# KiCad board ecpbreaker.kicad_pcb (continued)
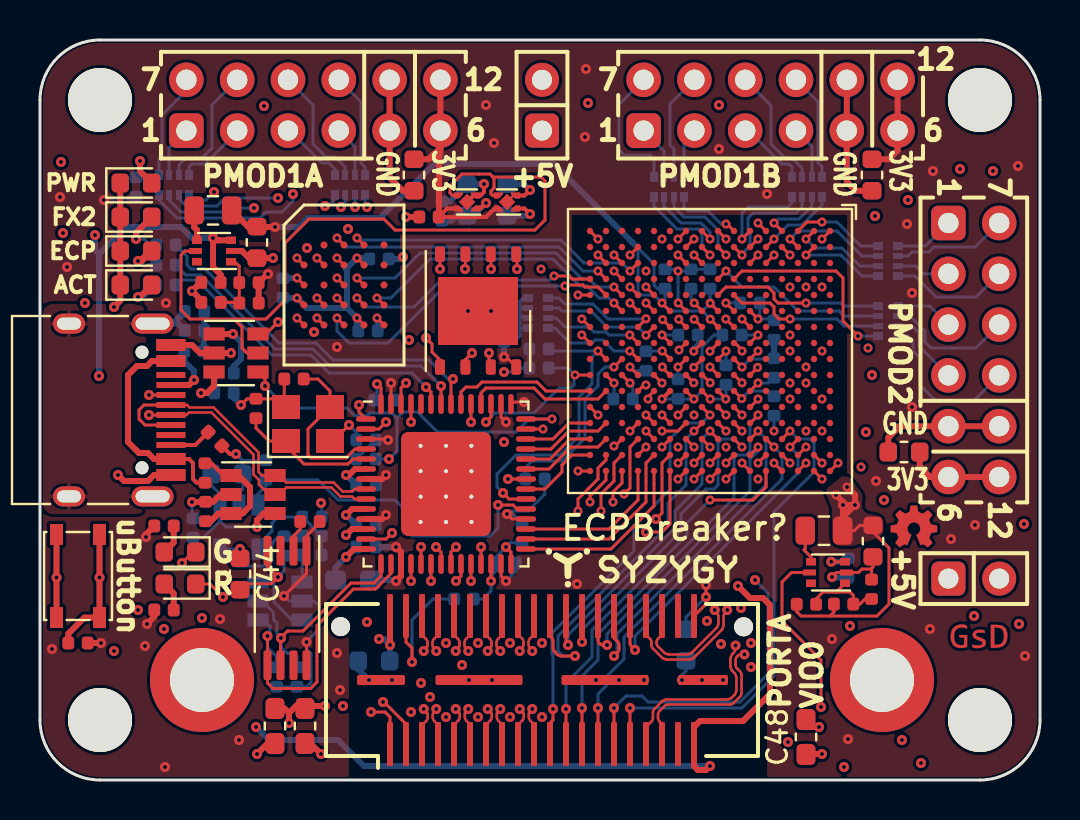
[diagram p0: board, top side]
## Nets (continued)
Net-(D1-Pad2): D1.2 R1.2
Net-(D2-Pad2): D2.2 R2.2
Net-(D3-Pad2): D3.2 R5.2
Net-(D4-Pad2): D4.2 R14.1
Net-(D5-Pad2): D5.2 R15.1
Net-(D6-Pad2): D6.2 R6.2
Net-(FB1-Pad1): FB1.1 J24.A4 J24.A9 J24.B4 J24.B9
Net-(J24-PadA5): J24.A5 R21.2
Net-(J24-PadB5): J24.B5 R22.2
Net-(L3-Pad1): L3.1 U4.4
Net-(L4-Pad1): L4.1 U5.4
Net-(R8-Pad2): R8.2 U12.1
Net-(R27-Pad1): R27.1 U7.2
Net-(R33-Pad1): R8.1 R33.1 R34.2 U13.4

Pads without a net: J1 37 38; J24 A8 B8; U2 52; U4 6; U5 6; U7 3 7; U8 A2 A3 A4 A5 A6 A7 A8 A9 A10 A11 A12 A13 A14 A15 B3 B4 B5 B6 B7 B8 B9 B10 B11 B12 B13 B14 C3 C4 C5 C6 C7 C8 C9 C10 C11 C12 C13 D3 D4 D5 D6 D7 D8 D9 D10 D11 D12 D13 E4 E5 E6 E7 E8 E9 E10 E11 E12 E13 F4 F5 G3 H3 J4 J5 K4 K5 L1 L2 L3 L4 L5 L12 M1 M2 M3 M4 M8 M9 M12 N1 N4 N12 P1 P2 P7 P8 P11 P12 P13 R1 R2 R6 R7 R8 R12 T2 T3 T6 T9; U9 A2 A5 B5 C2 C5

## Via types
v1: diameter 0.5, hole 0.2, Top to Bottom, 250 vias
v2: diameter 0.45, hole 0.2, Top to Bottom, 192 vias

## Routing (per net, layer and track width the routed paths; a pad name or vN(x,y) marks a point on that pad's centre or on a via; arc(x,y) is an arc through that point)
1V2EN: length 77.1
  Top w0.15: v1(39.05,3.65) 39.05,6 37.1,7.95 37.1,9.9 37.58,10.38 U5.5 38.22,10.38 ; v1(11.9,22.9) 11.3,22.3 U10.6
  In2.Cu w0.15: v1(11.9,22.9) 10.85,21.85 6.7,21.85 3,18.15 3,12.15 2.75,11.9 2.65,11.9 2.1,11.35 2.1,9.45 4.25,7.3 4.25,5 5.2,4.05 5.2,2.85 7.4,0.65 32.4,0.65 32.95,1.2 34.45,1.2 35.1,0.55 39.45,0.55 39.65,0.75 39.65,3 39.05,3.6 v1(39.05,3.65)
3V3EN: length 37.9
  Top w0.15: 22.65,30.15 25.05,30.15 25.25,29.95 25.25,28 24.75,27.5 17.75,27.5 17.2,28.05 13.45,28.05 12.25,26.85 12.25,24 11.3,23.05 9.7,23.05 ; 22.65,30.15 22.5,30.3 21.1,30.3 20.5,29.7 20.5,29.35 20.62,29.23 U11.3 ; 22.65,30.15 22.7,30.1 22.7,29.6 22.55,29.45 22.55,29.3 22.62,29.23 U6.3 ; U4.5 7.25,26.45 7.05,26.25 7.05,23.5 7.5,23.05 9.7,23.05 ; 9.7,23.05 10.1,22.65 10.1,21.6 10.35,21.35 U10.5
+1V1: length 35.6
  Top w0.15: 39.5,8.2 38.05,8.2 37.83,8.42 R24.2 ; 39.5,8.2 41.85,8.2 42.45,8.8 42.45,11.6 41.65,12.4 C29.1 40.98,12.73 40.72,12.47 L4.2 ; 39.5,8.2 39.69,8.4 C27.1 ; U8.G7 34.69,22.65 v2(34.29,23.05) ; v2(35.1,20.65) U8.G9 ; v2(31.11,21.45) 31.5,21.06 U8.L9 ; v2(31.12,20.65) 31.12,20.62 31.49,20.25 ; U8.G6 v2(34.3,23.85) ; v2(31.1,22.25) U8.L8
  Top w0.3: v2(39.8,14.25) 40.15,13.9 v1(40.15,13.75) ; v1(40.15,13.75) 40.15,12.48 L4.2 40.14,13.14 v1(40.75,13.75) ; v1(40.15,13.75) v1(40.75,13.75) ; v2(40.35,14.65) 40.75,14.25 v1(40.75,13.75)
  In2.Cu w0.15: v2(31.12,20.65) 31.11,20.66 v2(31.11,21.45) 31.1,21.46 v2(31.1,22.25) ; 35.08,20.67 v2(35.1,20.65) U8.G9 34.7,22.18 34.29,22.59
  In2.Cu w0.3: v2(31.12,20.65) 31.12,22.23 v2(31.1,22.25) 33.95,22.25 34.29,22.59 v2(34.29,23.05) 34.3,23.05 v2(34.3,23.85)
  Bottom w0.15: C35.1 36.67,21.05 35.5,21.05 v2(35.1,20.65) ; C31.1 35.01,23.85 v2(34.3,23.85) 34.3,23.85 ; v2(31.11,21.45) 30.31,21.45 C36.1 ; C37.1 v2(31.1,22.25)
  Bottom w0.3: C38.1 C35.1
  vias: v2(37.5,21.45) v2(37.5,19.85) v2(38.3,19.85) v2(41.05,15.65)
+1V8: length 36.8
  Top w0.15: U9.E4 v2(15.85,23.1) ; v2(32.71,23.85) 33.1,23.46 U8.J6 ; v2(32.71,23.04) 33.09,22.65 U8.J7 ; U9.D1 v2(12.85,24.1) ; U9.B4 v2(15.85,26.1)
  Top w0.2: 21.78,28.58 22.02,28.58 v1(22.3,28.85)
  In2.Cu w0.15: v2(32.71,23.85) 32.71,24.24 32.4,24.55 31.4,24.55 31.1,24.85 31.1,25.8 30,26.9 30,27.3 29.8,27.5
  In2.Cu w0.3: v2(32.71,23.04) 32.71,23.04 v2(32.71,23.85) ; v2(15.85,26.1) 16.9,26.1 18.15,27.35 20.8,27.35 v1(22.3,28.85) 22.4,28.95 28.35,28.95 29.8,27.5
  Bottom w0.15: v2(32.71,23.85) 32.55,24.01 C3.1
  Bottom w0.3: C41.1 12.16,24.1 v2(12.85,24.1) 13.35,23.6 15.25,23.6 15.3,23.65 ; 15.3,23.65 15.35,23.7 15.35,25.5 15.3,25.55 v2(15.85,26.1) 16.41,26.1 C43.1 ; 15.3,23.65 v2(15.85,23.1) 15.85,22.52 C21.1 ; C20.1 20.56,27.97 20.81,28.21 C42.1 21.66,28.21 v1(22.3,28.85)
+2V5: length 23
  Top w0.15: U8.G11 34.71,19.45 v2(35.09,19.07) ; v2(31.13,23.02) U8.L7
  Top w0.2: v1(24.5,28.3) 24.23,28.58 23.78,28.58
  In2.Cu w0.15: 29.45,27 30.7,25.75 30.7,24.25 30.7,23.45 v2(31.13,23.02) 30.7,22.59 30.7,21.05 30.7,20.5 30.95,20.25 31.5,20.25 32.3,19.45 34.71,19.45 v2(35.09,19.07)
  In2.Cu w0.3: v1(24.5,28.3) 24.75,28.55 27.9,28.55 29.45,27
  Bottom w0.15: C25.1 36.44,19.45 35.47,19.45 v2(35.09,19.07)
  Bottom w0.3: C24.1 24.41,28.21 v1(24.5,28.3)
+3V3: length 139.8
  Top w0.127: 20.4,28.15 C51.1
  Top w0.15: U2.32 23.6,13.05 v1(23.35,13.3) ; U8.P10 v2(29.5,19.85) ; U2.44 23.05,18.15 v1(23.3,17.9) ; v1(33.3,9.75) 33.3,8.9 arc(33.28,8.81) 33.23,8.73 J1.40 ; U8.H6 v2(33.51,23.84) ; U8.K11 v2(32.7,19.05) ; v1(17.4,17) 17.35,17.05 U2.3 ; v2(31.1,23.85) U8.L6 ; v1(24.2,18.9) 23.65,18.9 U2.43 ; U7.8 v1(13.33,6.9) ; v1(12.2,9.2) 13.33,10.33 U7.1 13.33,12.2 13.98,12.86 R27.2 ; U8.H7 v2(33.51,23.04) ; v1(23.3,9.95) 23.05,10.2 U2.27 ; U3.8 23.31,21.15 v1(23.2,21.15) ; U2.55 v1(17.55,19.85)
  Top w0.2: 22.92,28.58 22.73,28.58 22.3,28.15 C51.1 20.36,28.58 20.92,28.58 ; v2(31.1,19.05) U8.L11
  Top w0.3: v1(5.3,12.15) 5.3,12.28 R14.2 ; U2.11 17.1,13.05 v1(17.3,13.25) ; C32.2 19.44,31.04 20.02,31.62 J23.6 ; J21.12 J21.6 44.5,15.15 43.99,15.66 C34.2 ; J27.12 J27.6 42.88,31.48 42.44,31.04 C33.2 ; J23.12 J23.6 ; J23.6 20.02,31.38 19.95,31.31 19.95,28.15 20.03,28.15 ; v1(11.75,27.65) 10.87,27.65 C28.1 10.4,27.67 L3.2 ; C26.1 10.93,23.85 R10.2 11.36,25.3 v1(11.4,25.3) ; 10.97,23.88 10.93,23.88 ; v1(17.8,9.95) 18.05,10.2 U2.17 18.05,11.4 v1(17.8,11.65) ; R15.2 5.72,8.16 v1(5.35,7.8) ; R13.2 v1(3.05,6.85) ; U2.7 17.1,15.05 v1(17.3,15.25)
  In2.Cu w0.15: v2(33.51,23.04) v2(33.51,23.84)
  In2.Cu w0.3: v1(17.3,15.25) 16.95,15.6 16.95,16.55 v1(17.4,17) 17.3,17 16.1,18.2 15.75,18.2 15.4,18.55 15.4,19 15.7,19.3 16.35,19.3 16.5,19.15 17.25,19.15 17.55,19.45 v1(17.55,19.85) ; v2(29.5,19.85) 28.9,19.25 24.55,19.25 v1(24.2,18.9) 23.3,18 v1(23.3,17.9) ; v2(33.51,23.84) 33.51,23.86 ; v2(32.7,19.05) v2(31.1,19.05)
  Bottom w0.15: R11.3 24,23.6 ; 24,23.6 24,23.95 24.15,24.1 R11.4 ; 24,23.6 24,23.15 ; v1(17.4,17) C13.1 16.77,17 R9.2 ; v2(31.1,23.85) 30.7,24.25 30.05,24.25 29.9,24.4 29.9,26.6 30.7,25.8 30.7,24.75 30.88,24.56 C7.1 ; v2(31.1,23.85) U8.L6 33.12,23.45 ; v2(31.1,23.85) 31.25,24 31.25,24.41 31.1,24.56 ; 33.12,23.45 v2(33.51,23.84) 33.51,24.55 C30.1 ; 33.12,23.45 33.51,23.06 v2(33.51,23.04) 34.11,22.44 C5.1 33.7,22.25 33.1,21.65 33.1,19.45 v2(32.7,19.05) 31.91,19.05 C11.1 31.88,19.05 v2(31.1,19.05) ; R1.1 4.69,29.05 3.25,29.05 v1(3.2,29) ; R11.1 24,22.6 ; 24,22.6 24,22.2 23.72,21.91 C22.1 ; 24,22.6 24,23.15 ; v1(12.2,9.2) 12.45,8.95 U12.2 13.7,8.95 13.95,8.7 13.95,7.55 13.33,6.92 v1(13.33,6.9) 13.33,6.55 13.55,6.33 13.55,4.88 13.34,4.66 R25.2 R12.2 ; C2.1 29.63,19.72 v2(29.5,19.85) ; 24,23.15 24.35,23.15 R11.2 ; v1(17.55,19.85) 17.55,19.13 C12.1 ; v1(33.3,9.15) 32.3,8.15 C40.1 ; R29.1 25.23,14.28 24.4,13.45 23.6,13.45 23.45,13.3 v1(23.35,13.3) 23.63,13.3 C10.1 ; v1(23.3,9.95) 23.78,10.44 C14.1
  Bottom w0.3: C1.1 17.75,10 v1(17.8,9.95) ; 20.02,31.12 17,28.1 13.4,28.1 12.95,27.65 v1(11.75,27.65) ; 20.02,31.12 20.34,30.8 25.7,30.8 29.9,26.6 ; 20.02,31.12 J23.6 ; v1(17.3,15.25) 16.8,14.75 C6.1 ; C9.1 16.8,12.75 v1(17.3,13.25) ; C4.1 v1(17.8,11.65) ; C22.1 v1(23.2,21.15)
  vias: v1(0.6,6.55) v1(1,29.15) v1(1.35,25.65) v1(5.25,6.7) v1(6.25,0.65) v1(6.3,23.85) v1(9,8.05) v1(9.95,2) v1(14.85,21.65) v1(14.85,6.35) v1(15,4.5) v1(19.05,4.85) v1(21.1,5.75) v1(22.3,33.75) v1(22.7,31.85) v1(26.85,9.8) v1(27.25,32.15) v1(27.3,35.55) v1(33.95,31.55) v1(36.35,29.3) v1(39.6,7.05) v1(40.4,2.05) v1(41.8,14.95) v1(43.35,27.8) v1(43.6,24.35) v1(43.6,18.65) v1(44.5,7.55) v1(44.65,30.45) v1(45.55,12.05) v1(46.75,12.75) v1(48.9,30.7) v1(49.25,6.2)
+5V: length 164.6
  Top w0.15: 8.99,26.99 8.89,26.99 8.6,26.7 ; v1(39.56,10.91) U5.3
  Top w0.3: C49.1 13.52,1.83 v1(14.05,1.3) ; C15.1 9.03,25.27 8.65,25.65 v1(8.65,27.1) 8.76,26.99 U4.3 ; J1.2 v1(17.5,6.75) ; v1(39.1,1.3) 38.67,1.3 38.3,1.67 ; U10.1 v1(9.65,22.3) ; U1.4 11.17,13.33 10.85,13 v1(10.85,12.65) ; v1(10.85,1.3) 11.38,1.83 C50.1
  In2.Cu w0.3: v1(2.75,27.25) 2.05,27.95 2.05,29.45 5.65,33.05 5.65,35.9 6.2,36.45 22.7,36.45 23.4,35.75 23.4,32.85 23.78,32.47 J26.1
  In3.Cu w0.3: 17.48,5.98 17.5,6 v1(17.5,6.75) ; 17.48,5.98 18.35,5.1 18.35,4.25 17.9,3.8 17.9,1.7 17.62,1.42 ; 17.48,5.98 16.95,6.5 v1(16.95,7.05) ; v1(39.56,10.91) 40.41,10.07 J22.1 45.6,9.89 45.6,4.45 44.9,3.75 44.9,2.8 43.4,1.3 v1(39.1,1.3) 17.75,1.3 17.62,1.42 ; 17.62,1.42 17.5,1.3 6.65,1.3 5.3,2.65 5.3,3.9 4.25,4.95 4.25,12.5 3.85,12.9 ; v1(10.85,12.65) 10.6,12.9 3.85,12.9 ; 3.85,12.9 3.05,13.7 3.05,20.1 v1(2.95,20.2) 5.75,20.2 7.85,22.3 v1(9.65,22.3)
  Bottom w0.15: 9,12.95 8.16,12.12 C47.1 ; 9,12.95 U13.1 9,14.3 8.56,14.74 C46.1 ; 9,12.95 9.3,12.65 v1(10.85,12.65)
  Bottom w0.3: v1(16.95,7.05) 17.2,7.05 v1(17.5,6.75) 17.5,5.96 C39.1 ; 2.95,26.3 2.95,20.15 ; 2.95,26.3 4.3,27.65 7.05,27.65 7.6,27.1 v1(8.65,27.1) ; 2.95,26.3 2.75,26.5 v1(2.75,27.25) ; R30.2 9.69,20.69 10.05,21.05 10.05,21.9 v1(9.65,22.3) ; v1(39.56,10.91) 40.23,10.91 C23.1
GND: length 143
  Top w0.127: U6.2 23.67,29.23 U6.2
  Top w0.15: 3.92,23.88 v1(3.7,23.65) ; v1(23.3,11.65) 23.55,11.4 U2.28 ; v2(34.3,21.45) 34.3,21.43 33.94,21.07 ; U8.N15 v2(30.3,16.65) ; v2(31.94,23.04) 31.94,23.01 U8.K7 ; v2(35.1,23.05) U8.F7 ; v1(16.85,19.8) 17.05,19.6 U2.56 ; 35.47,21.82 v2(35.9,22.25) ; U8.A1 v2(39.1,27.05) ; U9.E5 v2(16.85,23.1) ; v2(31.91,23.85) 32.3,23.46 U8.K6 ; 41.55,10.55 41.65,10.65 C29.2 ; 41.55,10.55 41.58,10.52 R26.1 ; 41.55,10.55 41.1,10.55 40.92,10.38 U5.2 39.83,10.38 v1(39.6,10.15) ; Y1.2 14.65,16.95 v1(15.45,17.75) ; U8.H1 v2(34.3,27.05) ; U8.T1 v2(27.9,27.05) ; v1(20,25.55) U3.4 ; U8.F10 v2(35.88,20.63) ; U8.D2 v2(37.5,26.25) ; 33.87,20.22 U8.H10 v2(33.5,20.65) ; v2(35.1,19.86) 34.67,20.29 34.67,20.3 ; v2(31.95,21.5) 32.32,21.87 32.33,21.87 ; U8.H16 v2(33.5,15.05) ; v2(35.1,21.45) 35.1,21.5 34.74,21.86 ; 35.53,21.08 35.52,21.08 ; U8.T16 v2(26.9,15.45) ; U8.D15 v2(37.5,15.85) ; v2(31.9,20.65) 32.31,21.06 32.33,21.06 ; v2(33.51,19.86) 33.12,20.25 U8.J10 ; U7.4 11.38,10.67 v1(11.9,10.15) 11.56,9.81 10,9.81 ; U2.26 v1(22.55,9.95) ; 35.53,21.87 35.52,21.87 ; 33.13,21.87 33.12,21.87 v2(32.69,21.44) ; v1(18.55,17.9) U2.53 ; U8.N2 v2(29.5,26.25) ; U8.T5 v2(26.9,24.25) ; v1(10.05,18.75) 10.36,19.06 C17.2 11.89,19.06 Y1.4 12.22,18.73 C16.2 ; v2(33.5,21.44) 33.93,21.87 ; 35.49,21.04 v2(35.9,21.45) ; U8.T12 v2(27.9,18.25) ; U8.F6 v2(35.9,23.05) ; U2.41 v2(25.15,17.55) ; v2(35.9,19.85) U8.F11 ; U9.C1 v2(12.85,25.1) ; v2(32.69,20.63) 33.12,21.06 33.13,21.06 ; U8.R10 v2(28.7,19.85) ; U8.A16 v2(39.9,15.85) ; U8.N10 v2(29.5,20.65) ; U8.K10 v2(32.69,19.86) ; U9.B3 v2(14.85,26.1)
  Top w0.2: v1(24.5,29.5) 24.23,29.23 U6.2 ; v1(9.8,16.3) 9.5,16.3 R22.1 ; v1(22.2,29.8) 22.2,29.4 22.02,29.23 U11.2 21.67,29.23 U11.2
  Top w0.3: v1(3.7,23.65) 4.01,23.96 D6.1 D1.1 ; U2.14 15.7,11.55 v1(15.3,11.15) ; C34.1 42.41,17.11 42.99,17.69 J21.5 J21.11 ; R23.1 8.06,23.98 v1(7.6,24.45) 8.03,24.88 C15.2 ; 12.45,3.35 12.23,3.58 C50.2 ; 12.45,3.35 12.8,3.7 v1(14.25,3.7) ; 12.45,3.35 v1(12.45,2.85) ; v1(3.9,15.25) 4.2,14.95 5.4,14.95 5.7,15.25 J24.A12 ; C32.1 18.14,29.46 17.48,30.12 J23.5 J23.11 ; v1(15.3,15.25) 15.45,15.25 15.75,15.55 U2.6 ; C33.1 40.79,29.46 40.34,29.91 J27.5 J27.11 ; U2.10 15.6,13.55 v1(15.3,13.25) ; U4.2 10.1,26.45 10.46,26.09 C28.2 11.64,26.09 v1(11.65,26.1) ; 38.3,2.63 38.31,2.65 v1(38.95,2.65) ; SW1.2 v1(0.82,10.12) SW1.2 ; J24.A1 7.6,21.75 8,21.35 U10.2 v1(9.55,21.35) ; C51.2 v1(18.3,28.15) ; U2.12 15.6,12.55 v1(15.3,12.25) ; v1(7.6,13.9) 8.27,13.9 C18.2 8.66,13.91 9.02,14.27 U1.2
  In2.Cu w0.15: v2(35.1,23.05) 35.11,23.06
  Bottom w0.15: v2(29.5,20.65) 29.69,20.47 C36.2 ; R34.1 14.09,13.81 v1(14.05,13.85) ; v1(7.6,13.9) 7.6,13.13 C47.2 ; C37.2 32.88,21.84 32.69,21.64 v2(32.69,21.44) ; v1(32.1,5) 32.1,5.25 32.3,5.45 C40.2 ; C2.2 28.7,19.09 v2(28.7,19.85) ; C8.2 v2(34.3,21.45) ; C38.2 36.64,23.05 v2(35.9,23.05) 35.98,23.13 C31.2 ; v1(23.2,20.4) 23.65,20.4 23.85,20.6 R20.2 ; 11.65,9.9 11.7,9.85 11.7,8.9 12.6,8 U12.3 ; 11.65,9.9 U12.6 ; 11.65,9.9 v1(11.9,10.15) 12.2,10.45 C45.2 ; 33.65,25.53 C3.2 32.47,25.45 v2(31.9,25.45) ; 31.1,25.53 31.66,25.53 31.91,25.29 v2(31.91,23.85) ; U13.2 9.95,14.35 10.14,14.54 C46.2 10.14,15.96 v1(9.8,16.3) 10.12,15.98 R32.1 ; C11.2 v2(31.9,20.65) ; C35.2 36.44,19.85 v2(35.9,19.85) ; C25.2 v2(36.7,17.45) ; C12.2 16.85,19.13 v1(16.85,19.8) ; C10.2 23.52,11.87 v1(23.3,11.65) 22.81,11.16 C14.2 22.81,10.47 22.55,10.2 v1(22.55,9.95) 22.55,9.45 22.15,9.05 R35.2 ; C13.2 15.81,17.38 v1(15.45,17.75) ; C5.2 v2(35.9,22.25)
  Bottom w0.2: R19.1 R20.2
  Bottom w0.3: R31.1 9.69,19.12 v1(10.05,18.75) ; v1(24.5,29.5) 24.21,29.79 C24.2 ; C20.2 20.5,28.94 C42.2 21.36,29.8 v1(22.2,29.8) ; v2(12.85,25.1) 12.16,25.1 C41.2 ; v1(15.3,15.25) 15.31,15.25 C6.2 ; v1(9.55,21.35) 8.9,21.35 8.8,21.45 R21.1 8.19,22.45 C19.2 R28.2 ; v1(22.55,23.45) 22.63,23.45 C22.2 ; C39.2 15.91,5.54 v1(16.45,5) ; v1(39.6,10.15) 39.64,10.12 C23.2 ; C21.2 16.88,23.06 v2(16.85,23.1) ; C43.2 18.05,26.05 v1(18.15,26.15) ; v1(15.3,13.25) 15.31,13.25 C9.2 15.8,12.75 v1(15.3,12.25) ; 14.73,10.35 14.77,10.3 C1.2 14.77,10.62 v1(15.3,11.15) 15.8,11.65 C4.2
  vias: v1(1.05,30.9) v1(1.15,27.35) v1(2.25,23.85) v1(3.7,6.45) v1(4.9,8.5) v1(6.2,7.55) v1(8.1,8.1) v1(11.2,33.7) v1(13.35,26.6) v1(13.7,22.4) v1(15.15,3.7) v1(15.4,27.55) v1(16.35,7.9) v1(17.6,5) v1(18.45,22) v1(18.55,3.4) v1(19.5,4.15) v1(20.3,6.85) v1(20.3,3.15) v1(21.4,23.45) v1(21.45,5) v1(21.9,6.85) v1(21.9,3.15) v1(22.6,5) v1(23.2,16.9) v1(23.5,6.85) v1(23.5,3.15) v1(25.1,6.85) v1(25.1,3.15) v1(27.4,33.85) v1(27.8,5) v1(28.95,5) v1(30.2,5) v1(33.1,5) v1(33.35,7.95) v1(33.95,33.75) v1(34.05,6.8) v1(34.15,5) v1(35.05,8.6) v1(35.55,6.85) v1(35.55,5.65) v1(37.4,1.9) v1(40.2,0.65) v1(40.5,7.7) v1(41.3,17.4) v1(41.6,20.25) v1(41.75,28.2) v1(42.2,14) v1(43.1,2) v1(43.4,29) v1(44.05,0.85) v1(46,30.55) v1(46.7,8.2) v1(47.65,30.45) v1(48.95,7.8) v1(49.2,12.8) v2(25.05,25.55) v2(30.3,25.45) v2(31.1,27.05) v2(31.9,16.65) v2(32.7,18.25) v2(34.3,16.65) v2(35.9,15.05) v2(37.5,24.65) v2(37.5,22.25) v2(37.5,19.05) v2(38.3,24.65) v2(38.3,20.65) v2(38.3,17.45) v2(39.1,24.65) v2(39.1,21.45) v2(39.1,19.05) v2(39.1,17.45) v2(41.4,21.6)
/A0: length 4.6
  Top w0.15: U8.R14 27.9,16.65 26.55,16.65 25.45,15.55 U2.37
/A1: length 3.6
  Top w0.15: U2.38 25.5,16.05 26.5,17.05 U8.T14
/CLKIF: length 20.8
  Top w0.15: U2.13 17.3,12.05 v1(17.6,12.35) ; v1(30.3,12.4) 31.1,12.4 31.5,12.8 U8.L16
  In3.Cu w0.15: v1(30.3,12.4) 29.85,11.95 25.55,11.95 24.25,10.65 17.8,10.65 17.2,11.25 17.2,11.95 v1(17.6,12.35)
/CLKREF: length 21.5
  Top w0.15: U8.L15 31.1,15.85 31.1,13.35 v1(30.8,13.05) ; v1(18.3,19.85) 18.05,19.6 U2.54
  In3.Cu w0.15: v1(30.8,13.05) 30.8,15.15 30.15,15.8 28.5,15.8 28.05,16.25 25.7,16.25 23.2,18.75 18.9,18.75 18.3,19.35 v1(18.3,19.85)
/D0: length 17.2
  Top w0.15: U8.M14 v2(30.3,17.45) ; U2.18 v1(18.55,9.95)
  In2.Cu w0.15: v1(18.55,9.95) 19.4,10.8 24,10.8 26.1,12.9 26.1,13.8 27.5,15.2 28.75,15.2 29.9,16.35 29.9,17.05 v2(30.3,17.45)
/D1: length 12.3
  Top w0.15: U2.19 v1(19.05,11.65) ; U8.R16 28.3,15 27.5,14.2 v2(27.5,13.9)
  In3.Cu w0.15: v2(27.5,13.9) 26.45,13.9 25.85,13.3 24.7,13.3 24.15,12.75 22.85,12.75 22.5,12.4 19.55,12.4 19.05,11.9 v1(19.05,11.65)
/D2: length 17.9
  Top w0.15: U2.20 v1(19.55,9.95) ; v2(31.1,17.45) 31.9,17.45 U8.K13
  In2.Cu w0.15: v2(31.1,17.45) 30.7,17.05 30.7,16.3 29.3,14.9 27.65,14.9 26.4,13.65 26.4,12.7 24.15,10.45 20.05,10.45 v1(19.55,9.95)
/D3: length 13.2
  Top w0.15: U8.P15 28.7,15.85 28.7,14.95 28.05,14.3 v2(28.05,13.45) ; U2.21 20.05,11.4 v1(19.8,11.65)
  In3.Cu w0.15: v1(19.8,11.65) 20.25,12.1 22.65,12.1 22.95,12.4 24.35,12.4 24.95,13 27.6,13 v2(28.05,13.45)
/D4: length 14.7
  Top w0.15: v1(20.8,11.65) 20.55,11.4 U2.22 ; U8.N14 29.5,16.65 29.5,14.6 v2(29.2,14.3)
  In3.Cu w0.15: v2(29.2,14.3) 29.2,12.95 28.65,12.4 25.35,12.4 24.1,11.15 21.7,11.15 21.2,11.65 v1(20.8,11.65)
/D5: length 16
  Top w0.15: U8.L14 v2(31.1,16.65) ; U2.23 21.05,10.2 v1(20.8,9.95)
  In2.Cu w0.15: v2(31.1,16.65) 31.1,16.1 29.85,14.85 29.85,14.2 28.4,12.75 27.4,12.75 23.8,9.15 21.6,9.15 v1(20.8,9.95)
/D6: length 11.9
  Top w0.15: U8.R15 28.3,16 27.9,15.6 27.9,15.05 26.9,14.05 v2(26.9,13.45) ; U2.24 v1(21.55,9.95)
  In2.Cu w0.15: v1(21.55,9.95) 22.05,9.45 23.6,9.45 26.9,12.75 v2(26.9,13.45)
/D7: length 10.5
  Top w0.15: U2.25 v1(22.05,11.65) ; v2(28.65,13.9) 28.65,14.4 29.1,14.85 U8.P16
  In3.Cu w0.15: v1(22.05,11.65) 22.6,11.65 23.05,12.1 24.55,12.1 25.15,12.7 28.15,12.7 28.65,13.2 v2(28.65,13.9)
/FLAGA: length 9
  Top w0.15: U8.M16 30.7,13.7 28.55,11.55 U2.29
/FLAGB: length 9.3
  Top w0.15: U2.30 28.45,12.05 30.3,13.9 30.3,15.85 U8.M15
/FLAGC: length 7.7
  Top w0.15: U8.N16 29.9,14 28.45,12.55 U2.31
/FLAGD: length 3.5
  Top w0.15: U2.40 25.65,17.05 26.45,17.85 U8.T13
/JTAG_TCK: length 8.9
  Top w0.15: v1(22.3,17.9) 22.55,18.15 U2.45 ; U8.T10 v2(26.75,20.25)
  Bottom w0.15: v1(22.3,17.9) 22.75,18.35 24.7,18.35 25.95,19.6 26.55,19.6 26.7,19.75 26.7,20.2 v2(26.75,20.25) 26.4,20.6 R20.1
/JTAG_TDI: length 7.3
  Top w0.15: U8.R11 27.9,19.05 25.25,19.05 24.7,19.6 22.3,19.6 22.05,19.35 U2.46
/JTAG_TDO: length 12.7
  Top w0.15: U8.M10 v2(31.1,19.85) ; U2.47 v1(21.55,17.9)
  In2.Cu w0.15: v1(21.55,17.9) 21.55,18.75 22.4,19.6 26.9,19.6 27.55,20.25 29.1,20.25 30.55,20.25 30.95,19.85 v2(31.1,19.85)
/JTAG_TMS: length 7.4
  Top w0.15: U2.48 21.05,19.4 21.3,19.65 21.85,19.65 22.1,19.9 24.85,19.9 25.3,19.45 U8.T11
/LED_ACT: length 15.8
  Top w0.15: v1(19.3,19.65) 19.55,19.4 U2.51
  Bottom w0.15: R6.1 7.03,25 7.85,25 11.6,21.25 13.55,21.25 14.45,20.35 18.6,20.35 v1(19.3,19.65)
/LED_CY: length 18.2
  Top w0.15: U2.49 20.55,19.95 v1(20.65,20.05)
  Bottom w0.15: R2.1 7.35,26.19 7.35,25.75 7.55,25.55 8.25,25.55 11.95,21.85 13.8,21.85 14.65,21 19.45,21 20.4,20.05 v1(20.65,20.05)
/LED_FPGA: length 16.7
  Top w0.15: U2.50 v1(20.05,19.7)
  Bottom w0.15: v1(20.05,19.7) 19.05,20.7 14.5,20.7 13.65,21.55 11.75,21.55 8.05,25.25 7.28,25.25 R5.1
/OE: length 4.1
  Top w0.15: U2.35 25.25,14.55 26.1,15.4 26.1,15.75 26.6,16.25 U8.T15
/PGOOD: length 3.2
  Top w0.3: U10.3 8.7,19.7 8.35,19.35 v1(8.05,19.35)
  Bottom w0.3: v1(8.05,19.35) R31.2 R30.1
/PKTEND: length 4.5
  Top w0.15: U2.39 25.55,16.55 26.45,17.45 27.9,17.45 U8.R13
/PMODS/P1A1: length 30.9
  Top w0.15: U8.K1 v2(31.9,27.05)
  In2.Cu w0.15: v1(10.7,28.6) 10.65,28.65 10.65,29.7 11.45,30.5 20.75,30.5 21.3,31.05 27.4,31.05 27.95,30.5 30.05,30.5 31.9,28.65 v2(31.9,27.05)
  Bottom w0.15: v1(10.7,28.6) 9.55,28.6 9.35,28.4 7.05,28.4 6.45,29 R16.3
/PMODS/P1A1x: length 2.6
  Bottom w0.15: J23.1 6.45,31.6 R16.6
/PMODS/P1A2: length 30.6
  Top w0.15: v2(32.7,26.25) U8.J3
  In2.Cu w0.15: v2(32.7,26.25) 33.1,26.65 33.1,28 30.3,30.8 28.05,30.8 27.5,31.35 21.1,31.35 20.55,30.8 11.25,30.8 10.1,29.65 8.95,29.65 v1(8.7,29.4)
  Bottom w0.15: R16.1 7.7,29 8.3,29 v1(8.7,29.4)
/PMODS/P1A2x: length 3.6
  Bottom w0.15: J23.2 9.86,32.41 8.25,30.8 7.6,30.8 7.45,30.65 R16.8
/PMODS/P1A3: length 27.1
  Top w0.15: U8.F2 v2(35.9,27.05)
  In3.Cu w0.15: v2(35.9,27.05) 36.3,27.45 36.3,28.1 34.4,30 27.1,30 25.75,31.35 21.35,31.35 19.85,29.85 15.5,29.85 14.35,28.7 v1(14.25,28.7)
  Bottom w0.15: v1(14.25,28.7) 14.4,28.7 14.75,29.05 R3.4
/PMODS/P1A3x: length 3.4
  Bottom w0.15: R3.5 14.75,30.55 14.45,30.85 14.1,30.85 12.48,32.47 J23.3
/PMODS/P1A4: length 25.7
  Top w0.15: U8.E3 v2(36.7,26.25)
  In3.Cu w0.15: v1(15.75,28.65) 15.75,28.9 16.1,29.25 20.25,29.25 21.7,30.7 25.25,30.7 26.75,29.2 33.55,29.2 34.7,28.05 34.7,26.85 34.9,26.65 36.3,26.65 v2(36.7,26.25)
  Bottom w0.15: R3.2 v1(15.75,28.65)
/PMODS/P1A4x: length 2.6
  Bottom w0.15: R3.7 15.75,31.66 J23.4
/PMODS/P1A7: length 32
  Top w0.15: U8.K2 v2(32.7,27.05)
  In2.Cu w0.15: v2(32.7,27.05) U8.K2 31.7,26.65 31.5,26.85 31.5,28.5 29.8,30.2 27.8,30.2 27.3,30.7 21.45,30.7 20.95,30.2 13.55,30.2 v1(12.65,29.3)
  Bottom w0.15: R16.4 5.95,29 6.85,28.1 11,28.1 11.3,28.4 12.1,28.4 12.65,28.95 v1(12.65,29.3)
/PMODS/P1A7x: length 5.3
  Bottom w0.15: R16.5 5.95,31.05 6.1,31.2 6.1,33.25 7.32,34.47 J23.7
/PMODS/P1A8: length 29.8
  Top w0.15: U8.K3 v2(31.9,26.25)
  In2.Cu w0.15: v1(11.9,29.1) 12.35,28.65 13.15,28.65 14.3,29.8 21,29.8 21.55,30.35 27.15,30.35 27.6,29.9 29.65,29.9 30.7,28.85 30.7,26.8 30.95,26.55 31.35,26.55 31.65,26.25 v2(31.9,26.25)
  Bottom w0.15: v1(11.9,29.1) 9.25,29.1 8.85,28.7 7.3,28.7 6.95,29.05 R16.2
/PMODS/P1A8x: length 6.4
  Bottom w0.15: J23.8 8.6,33.75 8.6,31.6 8.1,31.1 7.3,31.1 6.95,30.75 R16.7
/PMODS/P1A9: length 24.6
  Top w0.15: U8.E1 v2(35.9,27.85)
  In3.Cu w0.15: v2(35.9,27.85) 35.45,27.85 33.75,29.55 27.05,29.55 25.55,31.05 21.55,31.05 20,29.5 15.65,29.5 15.05,28.9 v1(15.05,28.65)
  Bottom w0.15: R3.3 15.25,28.85 v1(15.05,28.65)
/PMODS/P1A9x: length 6.2
  Bottom w0.15: R3.6 15.25,30.65 14.75,31.15 14.3,31.15 13.65,31.8 13.65,33.76 J23.9
/PMODS/P1A10: length 24.7
  Top w0.15: U8.F3 v2(35.9,26.25)
  In3.Cu w0.15: v1(16.35,28.65) 16.67,28.98 20.38,28.98 21.75,30.35 25.05,30.35 26.55,28.85 33.1,28.85 33.9,28.05 33.9,26 34.05,25.85 U8.F3 v2(35.9,26.25)
  Bottom w0.15: v1(16.35,28.65) 16.25,28.75 R3.1
/PMODS/P1A10x: length 5.3
  Bottom w0.15: R3.8 16.25,30.65 16.05,30.85 16.05,33.9 J23.10
/PMODS/P1B1: length 4.2
  Top w0.15: v2(33.5,27.05) U8.J1
  Bottom w0.15: R4.3 31.2,28.7 32.05,27.85 33.05,27.85 33.5,27.4 v2(33.5,27.05)
/PMODS/P1B1x: length 2.7
  Bottom w0.15: J27.1 31.2,31.45 R4.6
/PMODS/P1B2: length 3.5
  Top w0.15: v2(34.3,27.8) 34.35,27.8 U8.G1
  Bottom w0.15: R4.1 32.2,28.65 32.4,28.45 33.4,28.45 34.05,27.8 v2(34.3,27.8)
/PMODS/P1B2x: length 2.5
  Bottom w0.15: J27.2 32.2,31.95 R4.8
/PMODS/P1B3: length 4.9
  Top w0.15: U8.F1 v2(35.1,27.05)
  Bottom w0.15: v2(35.1,27.05) 35.1,28.35 35.4,28.65 37.4,28.65 37.6,28.85 R17.4
/PMODS/P1B3x: length 3.6
  Bottom w0.15: J27.3 35.43,32.47 37.1,30.8 37.45,30.8 37.6,30.65 R17.5
/PMODS/P1B4: length 3.3
  Top w0.15: U8.D1 v2(36.7,27.85)
  Bottom w0.15: v2(36.7,27.85) 36.9,28.05 37.95,28.05 38.6,28.7 R17.2
/PMODS/P1B4x: length 2.7
  Bottom w0.15: R17.7 38.6,31.67 J27.4
/PMODS/P1B7: length 5.2
  Top w0.15: v2(33.5,26.25) U8.J2
  Bottom w0.15: R4.4 30.7,28.7 31.85,27.55 32.9,27.55 33.1,27.35 U8.J2 v2(33.5,26.25)
/PMODS/P1B7x: length 6.9
  Bottom w0.15: J27.7 28.95,33.78 28.95,31.5 29.2,31.25 30.5,31.25 30.7,31.05 R4.5
/PMODS/P1B8: length 5.2
  Top w0.15: v2(34.3,26.25) U8.H2
  Bottom w0.15: v2(34.3,26.25) U8.H2 33.9,27.5 33.25,28.15 32.2,28.15 31.7,28.65 R4.2
/PMODS/P1B8x: length 5.4
  Bottom w0.15: J27.8 31.5,33.79 31.5,31.75 31.7,31.55 R4.7
/PMODS/P1B9: length 6.1
  Top w0.15: v2(35.1,26.25) U8.G2
  Bottom w0.15: v2(35.1,26.25) 35.1,26.3 35.5,26.7 35.5,27.4 35.4,27.5 35.4,28.1 35.65,28.35 37.8,28.35 38.1,28.65 R17.3
/PMODS/P1B9x: length 6.2
  Bottom w0.15: J27.9 36.55,33.72 36.55,31.8 37.25,31.1 37.6,31.1 38.1,30.6 R17.6
/PMODS/P1B10: length 4.1
  Top w0.15: v2(36.7,27.05) U8.E2
  Bottom w0.15: R17.1 39.1,28.75 38.1,27.75 37.4,27.75 v2(36.7,27.05)
/PMODS/P1B10x: length 5.4
  Bottom w0.15: R17.8 39.1,30.65 38.9,30.85 38.9,33.91 J27.10
/PMODS/P2_1: length 4.7
  Top w0.15: U8.C1 38.35,27.9 v2(39.1,27.9)
  Bottom w0.15: R7.8 41.05,26.7 39.85,27.9 v2(39.1,27.9)
/PMODS/P2_1x: length 3
  Bottom w0.15: J21.1 44.27,26.7 R7.1
/PMODS/P2_2: length 4.7
  Top w0.15: U8.B1 v2(38.3,27.05)
  Bottom w0.15: v2(38.3,27.05) 38.75,26.6 40.1,26.6 41,25.7 R7.6
/PMODS/P2_2x: length 2.7
  Bottom w0.15: J21.2 44.19,25.31 43.8,25.7 R7.3
/PMODS/P2_3: length 8.7
  Top w0.15: v2(38.3,23.85) 36.9,23.85 36.7,24.05 36.7,24.35 36.4,24.65 34.3,24.65 U8.H5
  Bottom w0.15: R18.8 40.2,23.7 40.05,23.85 v2(38.3,23.85)
/PMODS/P2_3x: length 2.9
  Bottom w0.15: R18.1 44.49,23.7 J21.3
/PMODS/P2_4: length 8
  Top w0.15: v2(37.5,23.05) 36.95,23.05 36.7,23.3 36.7,23.65 36.5,23.85 35.1,23.85 U8.G5
  Bottom w0.15: R18.6 40.2,22.7 39.85,23.05 v2(37.5,23.05)
/PMODS/P2_4x: length 3.9
  Bottom w0.15: R18.3 43.6,22.7 43.95,22.35 43.95,21.7 J21.4
/PMODS/P2_7: length 5.6
  Top w0.15: U8.C2 v2(37.5,27.05)
  Bottom w0.15: v2(37.5,27.05) 37.9,27.45 39.85,27.45 41.1,26.2 R7.7
/PMODS/P2_7x: length 5.7
  Bottom w0.15: R7.2 43.4,26.2 43.6,26.4 44.45,26.4 44.7,26.65 46.76,26.65 J21.7
/PMODS/P2_8: length 4.6
  Top w0.15: U8.B2 v2(38.3,26.25)
  Bottom w0.15: v2(38.3,26.25) 40.05,26.25 41.1,25.2 R7.5
/PMODS/P2_8x: length 6
  Bottom w0.15: J21.8 46.8,24.15 44.8,24.15 43.75,25.2 R7.4
/PMODS/P2_9: length 9.1
  Top w0.15: U8.H4 v2(34.3,25.45)
  Bottom w0.15: v2(34.3,25.45) 35.1,24.65 36.7,24.65 37.9,23.45 39.95,23.45 40.2,23.2 R18.7
/PMODS/P2_9x: length 6.5
  Bottom w0.15: R18.2 43.5,23.2 44.25,22.45 44.25,21.9 44.55,21.6 46.79,21.6 J21.9
/PMODS/P2_10: length 10
  Top w0.15: U8.G4 35.1,25.45 39.8,25.45 40.15,25.1 40.15,22.95 v2(40.9,22.2)
  Bottom w0.15: v2(40.9,22.2) R18.5
/PMODS/P2_10x: length 8
  Bottom w0.15: R18.4 43.4,22.2 43.65,21.95 43.65,21.45 44,21.1 44,19.75 44.75,19 46.73,19 J21.10
/RAM/FLASH_CS: length 13.3
  Top w0.15: 29.89,21.86 29.5,22.25 ; U3.1 23.85,26.25 v1(23.85,25.55)
  In3.Cu w0.15: v2(29.49,22.25) 28.7,22.25 27.3,23.65 24.85,23.65 23.85,24.65 v1(23.85,25.55)
  Bottom w0.15: R11.7 25.8,23.1 26.25,22.65 27.45,22.65 27.7,22.4 28.3,22.4 28.45,22.25 v2(29.49,22.25)
/RAM/FLASH_MISO|IO1: length 6.9
  Top w0.15: U3.2 22.55,26.28 v1(22.55,25.55) ; 27.49,22.66 27.1,23.05
  In3.Cu w0.15: v2(27.09,23.05) 26.84,23.3 24.7,23.3 22.55,25.45 v1(22.55,25.55)
/RAM/FLASH_MOSI|IO0: length 10.5
  Top w0.15: U3.5 20,21 19.6,21.4 19.6,21.8 v1(19.3,22.1) ; 27.49,21.86 27.1,22.25
  In3.Cu w0.15: v2(27.09,22.25) 25.25,22.25 24.8,22.7 21.85,22.7 21.25,22.1 v1(19.3,22.1)
/RAM/FLASH_SCK: length 15.1
  Top w0.15: U3.6 21.27,21.02 v1(21.6,21.35) ; 29.89,21.06 29.5,21.45
  In3.Cu w0.15: v2(29.49,21.45) 28.6,21.45 28.2,21.85 25.15,21.85 24.6,22.4 22.15,22.4 21.6,21.85 v1(21.6,21.35)
  Bottom w0.15: R11.8 25.75,22.6 26.5,21.85 27.6,21.85 27.75,22 28.15,22 28.3,21.85 28.7,21.45 v2(29.49,21.45)
/RAM/FLASH_~{HLD}|~{RST}|IO3: length 17.4
  Top w0.15: v1(22.45,21.35) 22.45,20.74 U3.7 ; 29.91,22.66 30.3,23.05
  In3.Cu w0.15: v2(30.3,23.06) 30.7,22.66 30.7,21.65 30.1,21.05 25.35,21.05 24.4,22 23.1,22 v1(22.45,21.35)
  Bottom w0.15: R11.5 25.95,24.1 26.25,23.8 27.65,23.8 28.4,23.05 30.29,23.05 v2(30.3,23.06)
/RAM/FLASH_~{WP}|IO2: length 17.5
  Top w0.15: v1(21.25,25.55) 21.27,25.57 U3.3 ; 30.69,22.64 30.3,22.25
  In3.Cu w0.15: v1(21.25,25.55) 21.65,25.55 24.2,23 25.05,23 25.4,22.65 27.85,22.65 28.65,21.85 29.91,21.85 v2(30.3,22.24)
  Bottom w0.15: v2(30.3,22.24) 29.89,22.65 28.35,22.65 27.55,23.45 26.1,23.45 25.95,23.6 R11.6
/RAM/HRAM_CLK: length 18
  Top w0.15: U9.B2 v2(13.85,26.1) ; U8.N5 v2(29.5,24.65)
  In2.Cu w0.15: v2(13.85,26.1) 14.4,25.55 16.3,25.55 16.9,24.95 18.15,24.95 18.75,24.35 24.75,24.35 25.3,23.8 28,23.8 28.45,24.25 29.1,24.25 v2(29.5,24.65)
